# Altium PCB TsinghuaDoor_bottom..PcbDoc
Units mil, origin at the board's own origin, x right, y up, seen from the top; angles counter-clockwise.
Board outline 7990.24 x 1920.24 mil, 2 copper layers (Top Layer, Bottom Layer); 66 components, 58 nets, 276 pads, 61 vias.
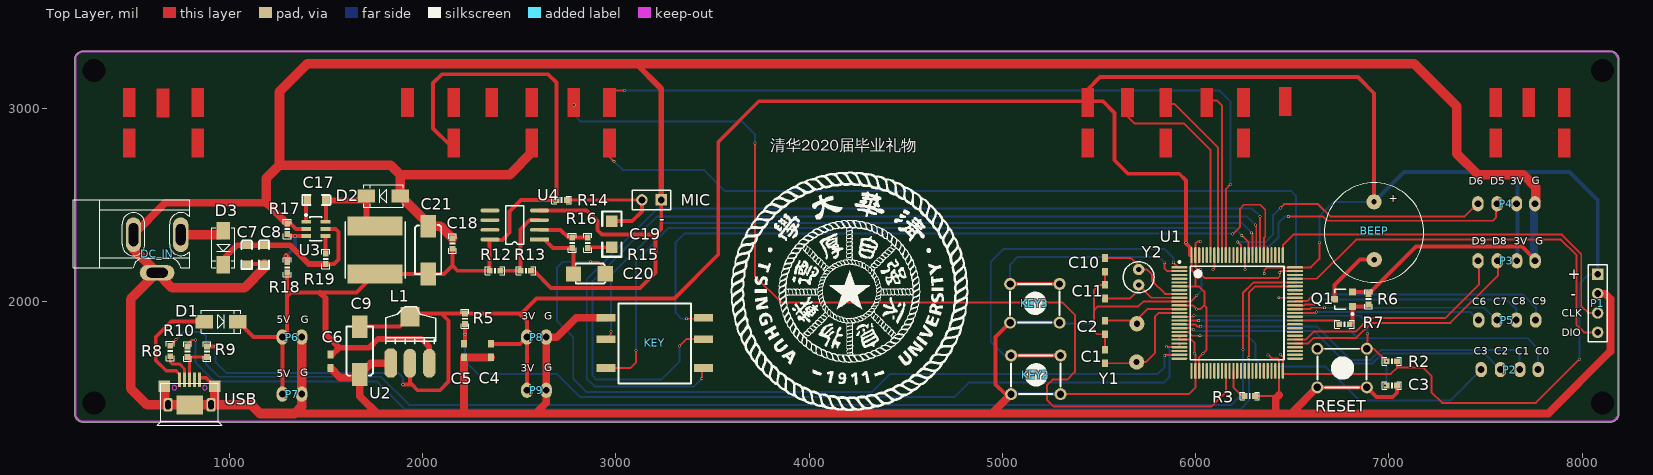
[diagram p0: Top Layer view]
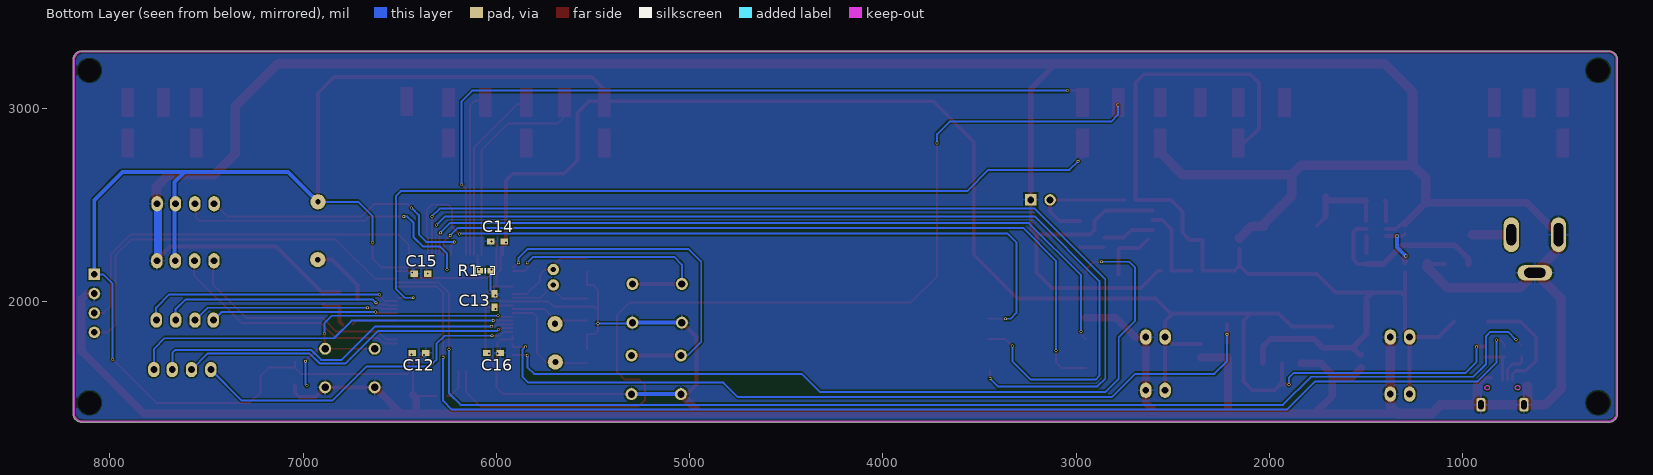
[diagram p1: Bottom Layer view, seen from below]
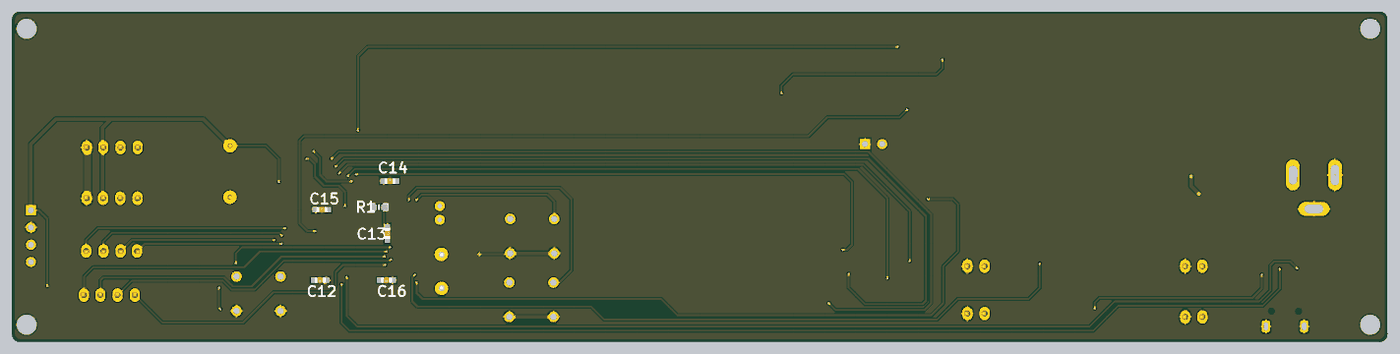
[diagram p2: 3D render of the assembled board from below, using the file's embedded part models]

## Layer stack, top to bottom
Top Layer: signal copper 1.4
Dielectric: dielectric 12.6, FR-4, Dk 4.8
Bottom Layer: signal copper 1.4

## Board outline
250,1375 cw(c245,1420) 200,1425 200,3250 cw(c245,3250) 245,3295 8150,3295 8149.97,3294.72 cw(c8145,3250) 8190,3250 8190,1420 cw(c8145,1420) 8145,1375

## Design rules (kind name [scope] priority, off if disabled: settings)
Clearance [All] p1: gap=7
PolygonConnect [All] p1: connectstyle=Relief reliefconductorwidth=10 reliefentries=4 polygonreliefangle="90 Angle" airgapwidth=10
RoutingVias [All] p1: holewidth=28 width=50 viastyle="Through Hole" minholewidth=28 minwidth=50 maxholewidth=28 maxwidth=50
SolderMaskExpansion [All] p1: expansion=4
Width [All] p1: maxlimit=50 minlimit=10 preferedwidth=10 minimp=50.000000 maximp=50.000000 favimp=50.000000
28 further rules are at their usual default settings.

## Components (designator, comment, footprint, x,y, rotation, side; value= is the part's Value field where it differs from the comment)
BEEP "蜂鸣器" 蜂鸣器-7.6mm 6900,2425 r90 top
C1 "Cap" "cap_0603 - duplicate" 5530,1765 r270 top
C2 "Cap" "cap_0603 - duplicate" 5530,1815 r90 top
C3 "104" 0603P 7015,1565 r180 top
C4 "Cap" "cap_0603 - duplicate" 2355,1695 r90 top
C5 "Cap" "cap_0603 - duplicate" 2215,1695 r90 top
C6 "Cap" "cap_0603 - duplicate" 1525,1640 r90 top
C7 "Cap" 电容-0805 1090,2205 r90 top
C8 "Cap" 电容-0805 1180,2205 r90 top
C9 "Cap Pol" 电容-6032 1675,1745 r270 top
C10 "Cap" "cap_0603 - duplicate" 5530,2239.21 r270 top
C11 "Cap" "cap_0603 - duplicate" 5530,2000 r90 top
C12 "Cap" "cap_0603 - duplicate" 6350,1733.46 r0 bottom
C13 "Cap" "cap_0603 - duplicate" 6010,2055 r270 bottom
C14 "Cap" "cap_0603 - duplicate" 6045,2310 r180 bottom
C15 "Cap" "cap_0603 - duplicate" 6440,2142.94 r180 bottom
C16 "Cap" "cap_0603 - duplicate" 5965,1733.46 r0 bottom
C17 "Cap" 电容-0805 1415,2525 r0 top
C18 "104" 0603P 2155,2299.54 r270 top
C19 "104" 1206 2980,2415 r270 top
C20 "Cap Pol" 电容-3528 2875,2139.94 r0 top
C21 "Cap Pol" 电容-6032 2030,2265 r90 top
D1 "1N4148" DIODE_3*5.3 960,1895 r0 top
D2 "SS14" DIODE_3*5.3 1795.03,2545 r180 top
D3 "SS14" DIODE_3*5.3 970,2275 r270 top
DC_IN "POWER" DC10B 330,2175 r0 top
KEY "5DirKey" 5DirKey 3005,1785 r0 top locked
KEY2 "KEY_M" KEY_M 5045,1720 r0 top
KEY3 "KEY_M" KEY_M 5040,2090 r0 top
L1 "4.7uH" L_SOP74 1755,2140.98 r90 top
MIC "VREF_SEL" HDR1X2 3235,2525 r180 top
P1 "Header 4" HDR1X4 8080,2139.94 r270 top
P2 "Header 4" Header-1*4-2.54mm 7477,1647 r90 top
P3 "Header 4" Header-1*4-2.54mm 7461,2210 r90 top
P4 "Header 4" Header-1*4-2.54mm 7460,2505 r90 top
P5 "Header 4" Header-1*4-2.54mm 7759,1903 r270 top
P6 "Header 2" Header-1*2-2.54mm 1275,1815 r90 top locked
P7 "Header 2" Header-1*2-2.54mm 1275,1520 r90 top locked
P8 "Header 2" Header-1*2-2.54mm 2540,1815 r90 top locked
P9 "Header 2" Header-1*2-2.54mm 2540,1540 r90 top locked
Q1 "S8050" SOT-23R 6770,2011.22 r90 top
R1 "10K" 0603P 6057.52,2158.22 r180 bottom
R2 "10K" 0603P 7015,1690 r180 top
R3 "10K" 0603P 6280,1510 r180 top
R5 "10" 0603P 2220,1910 r270 top
R6 "10K" 0603P 6895,2011.22 r270 top
R7 "1K" 0603P 6770,1881.22 r180 top
R8 "10" 0603P 695,1743.15 r270 top
R9 "10K" 0603P 885,1740 r270 top
R10 "10" 0603P 785,1740 r270 top
R12 "10K" 0603P 2375,2158.22 r180 top
R13 "10K" 0603P 2535,2158.22 r180 top
R14 "10K" 0603P 2720,2525 r0 top
R15 "10K" 0603P 2855,2303 r270 top
R16 "10K" 0603P 2775,2303 r270 top
R17 "9.53K" 0603P 1300.06,2374.82 r90 top
R18 "49.9K" 0603P 1300,2176.22 r90 top
R19 "100K" 0603P 1500,2220 r90 top
RESET "KEY_M" KEY_M 6630,1755 r0 top
U1 "STM32F103V" LQFP-100_M 6215,1940 r0 top locked
U2 "AMS1117-3.3" AMS1117 1835,1680 r0 top
U3 "MP2359" SOT-23-6 1398,2412.22 r0 top
U4 "LM358" SOP-8-4mm 2605,2320 r180 top
USB "USB-AB" "USB_AB - 5S - B" 795,1380 r180 top
Y1 "晶振" 晶振-DIP2-5.08 5620,1795 r270 top
Y2 "晶振" 圆柱晶振 5705,2085 r90 top

## Footprints (in the part's own frame and the unit in brackets; to place one, negate y for a bottom-side part, rotate by r counter-clockwise, add the part's x,y. Pads: shape width x height; smd on the part's side, far side on the other; paste and mask are expansions set on the pad)
5DirKey [mm]
  rect 2.5x1 smd: DOWN(11.43,-3.302) GND(-1.397,3.302) LEFT(-1.397,0.508) MID(-1.397,-3.302) RIGHT(11.43,0.508) UP(11.43,3.302)
  silkscreen extent 0.25,-5.33 9.78,5.21
0603P [mil]
  rect 30x30 smd: 1(-27,0) 2(27.5,-0.06)
  silkscreen extent -50,-20 50,20
1206 [mil]
  rect 60x60 smd: 1(0,0) 2(135,0)
  silkscreen extent -50,-50 185,50
AMS1117 [mil]
  oct 65x150 smd: 1(0.03,-0.06)
  oval 65x150 smd: 2(100.03,-0.06) 3(200.03,-0.06)
  rect 100x100 smd: 4(100.03,239.94)
  silkscreen extent -26,100 234,293
"cap_0603 - duplicate" [mm]
  rect 1x0.8 smd: 1(0.381,0) 2(2.159,0)
  body extent 0.47,-0.4 2.07,0.4, height 0.3
DC10B [mil]
  oval 80x180 hole 50 slot 110 at 90 deg: 1(419.09,170)
  oval 80x180 hole 50 slot 120 at 90 deg: 2(175,170)
  oval 180x80 hole 50 slot 110 at 0 deg: 3(297.05,-26.85)
  silkscreen extent -138,0 465,350
DIODE_3*5.3 [mm]
  rect 2.3x1.75 smd: 1(-2.286,0) 2(2.159,0)
  silkscreen extent -2.67,-1.5 2.54,1.5
HDR1X2 [mm]
  rect 1.5x1.5 hole 0.9: 1(0,0)
  round 1.5 hole 0.9: 2(2.54,0)
  silkscreen extent -1.27,-1.27 3.81,1.27
HDR1X4 [mm]
  rect 1.5x1.5 hole 0.9: 1(0,0)
  round 1.5 hole 0.9: 2(2.54,0) 3(5.08,0) 4(7.62,0)
  silkscreen extent -1.27,-1.27 8.89,1.27
Header-1*2-2.54mm [mm]
  oval 2x1.5 hole 0.9: 1(0,0) 2(0,-2.54)
  body extent -1.27,-3.94 1.27,1.14, height 10.1
Header-1*4-2.54mm [mm]
  oval 2x1.5 hole 0.9: 1(0,0) 2(0,-2.54) 3(0,-5.08) 4(0,-7.493)
  body extent -1.17,-8.89 1.37,1.27, height 10.1
KEY_M [mil]
  round 62 hole 38: 1(0,0) 1(255.91,0) 2(0,-200) 2(255.91,-200)
  silkscreen extent 0,-200 255,0
L_SOP74 [mm]
  rect 2.5x7.2 smd: 1(0,0) 2(6.35,0)
  silkscreen extent -0.51,-3.94 6.89,3.94
LQFP-100_M [mm] "Thin QFP, 100"
  oval 2.1x0.3 smd: 1(-7.6,6) 2(-7.6,5.5) 3(-7.6,5) 4(-7.6,4.5) 5(-7.6,4) 6(-7.6,3.5) 7(-7.6,3) 8(-7.6,2.5) 9(-7.6,2) 10(-7.6,1.5) 11(-7.6,1) 12(-7.6,0.5) 13(-7.6,0) 14(-7.6,-0.5) 15(-7.6,-1) 16(-7.6,-1.5) 17(-7.6,-2) 18(-7.6,-2.5) 19(-7.6,-3) 20(-7.6,-3.5) 21(-7.6,-4) 22(-7.6,-4.5) 23(-7.6,-5) 24(-7.6,-5.5) 25(-7.6,-6) 51(7.6,-6) 52(7.6,-5.5) 53(7.6,-5) 54(7.6,-4.5) 55(7.6,-4) 56(7.6,-3.5) 57(7.6,-3) 58(7.6,-2.5) 59(7.6,-2) 60(7.6,-1.5) 61(7.6,-1) 62(7.6,-0.5) 63(7.6,0) 64(7.6,0.5) 65(7.6,1) 66(7.6,1.5) 67(7.6,2) 68(7.6,2.5) 69(7.6,3) 70(7.6,3.5) 71(7.6,4) 72(7.6,4.5) 73(7.6,5) 74(7.6,5.5) 75(7.6,6)
  oval 0.3x2.1 smd: 26(-6,-7.6) 27(-5.5,-7.6) 28(-5,-7.6) 29(-4.5,-7.6) 30(-4,-7.6) 31(-3.5,-7.6) 32(-3,-7.6) 33(-2.5,-7.6) 34(-2,-7.6) 35(-1.5,-7.6) 36(-1,-7.6) 37(-0.5,-7.6) 38(0,-7.6) 39(0.5,-7.6) 40(1,-7.6) 41(1.5,-7.6) 42(2,-7.6) 43(2.5,-7.6) 44(3,-7.6) 45(3.5,-7.6) 46(4,-7.6) 47(4.5,-7.6) 48(5,-7.6) 49(5.5,-7.6) 50(6,-7.6) 76(6,7.6) 77(5.5,7.6) 78(5,7.6) 79(4.5,7.6) 80(4,7.6) 81(3.5,7.6) 82(3,7.6) 83(2.5,7.6) 84(2,7.6) 85(1.5,7.6) 86(1,7.6) 87(0.5,7.6) 88(0,7.6) 89(-0.5,7.6) 90(-1,7.6) 91(-1.5,7.6) 92(-2,7.6) 93(-2.5,7.6) 94(-3,7.6) 95(-3.5,7.6) 96(-4,7.6) 97(-4.5,7.6) 98(-5,7.6) 99(-5.5,7.6) 100(-6,7.6)
  silkscreen extent -7.72,-6.15 6.15,6.82, body extent -7,-7 7,7, height 0.8
SOP-8-4mm [mm]
  rect 2.5x0.5 smd: 1(0,0)
  oval 2.5x0.5 smd: 2(0,-1.27) 3(0,-2.54) 4(0,-3.81) 5(6.5,-3.81) 6(6.5,-2.54) 7(6.5,-1.27) 8(6.5,0)
  silkscreen extent 2.08,-4.44 4.42,0.64, body extent -0.03,-4.37 6.17,0.63, height 1.74
SOT-23-6 [mil]
  rect 50x20 smd: 1(0,0) 2(0,-37.4) 3(0,-74.8) 4(100,-74.8) 5(100,-37.4) 6(100,0)
  silkscreen extent 0,-99 80,35
SOT-23R [mm]
  rect 0.9x0.95 smd: 1(0.95,-1.048) 2(-0.95,-1.048) 3(0,1.302)
  silkscreen extent -2.07,-1.17 1.3,1.3
"USB_AB - 5S - B" [mm]
  rect 0.4x1.9 smd: 1(1.3,-5.436) 2(0.65,-5.436) 3(0,-5.436) 4(-0.65,-5.436) 5(-1.3,-5.436)
  rrect50% 1.2x1.8 hole 0.7 slot 1.2 at 90 deg: 6(2.825,-2.15) 7(-2.825,-2.15)
  rect 1.5x1.5 smd: 8(-3.302,-4.572) 9(3.302,-4.572)
  rect 3.5x2.5 smd: 9(0,-2.159)
  Keep-Out Layer circle w0.102: c2,-4.4 r0.3
  Keep-Out Layer circle w0.102: c-2,-4.4 r0.3
  silkscreen extent -4.26,-5 4.26,0.51
圆柱晶振 [mm]
  round 1.5 hole 0.7: 1(0,0) 2(2.032,0)
  silkscreen extent -1.02,-2.03 3.05,2.03
晶振-DIP2-5.08 [mm]
  round 2 hole 0.8: 1(-2.261,1.93) 2(2.769,1.905)
  body extent -5.34,-0.5 5.84,4.2, height 3.68
电容-0805 [mil]
  rect 39.37x47.24 smd: 1(-12,-3) 2(85,-3)
  silkscreen extent -37,-27 110,26, body extent -4,-25 75,25, height 31
电容-3528 [mil]
  rect 78.74x78.74 smd: 1(-93,2) 2(71,3)
  silkscreen extent -82,-48 71,55, body extent -85,-51 61,60, height 84
电容-6032 [mm]
  rect 3x2 smd: 1(-3.15,0) 2(3.15,0)
  silkscreen extent -3.15,-1.7 3.3,1.73, body extent -3.15,-1.75 3.15,1.75, height 2.8
蜂鸣器-7.6mm [mm]
  round 2 hole 0.7: 1(2.286,-0.584) 2(-5.309,-0.61)
  silkscreen extent -8.29,-7.12 4.78,5.95, body extent -7.52,-6.56 4.48,5.44, height 9.3

## Part data
C1 C2 C4 C5 C6 C7 C8 C10 C11 C12 C13 C14 C15 C16 C17: "Capacitor"
C3 C18 C19: library part C
C9 C20 C21: "Polarized Capacitor (Radial)"
D1 D2 D3: library part D
DC_IN: library part POW
L1: library part L_SOP
MIC: library part "Header 2", "Header, 2-Pin"
P1 P2 P3 P4 P5: "Header, 4-Pin"
P6 P7 P8 P9: "Header, 2-Pin"
Q1: library part NPN, "8050/BCW846/BCW847"
R1 R2 R3 R5 R6 R7 R8 R9 R10 R12 R13 R14 R15 R16 R17 R18 R19: library part R
U1: "STM32单片机100引脚"
U2: library part AMS1117
U3: "DC DC Step Down IC"
U4: library part IC-8
USB: "MicroUSB"
Y1 Y2: "Crystal Oscillator"

## Free pads (board coordinates)
  round 60 hole 118.11: 1(300,1475) 1(300,3195) 1(8105,1475) 1(8105,3195)

## Via types
v1: diameter 15, hole 10, Top Layer to Bottom Layer, 61 vias

## Nets (pads, with @x,y where several pads share a name; then routed paths per layer and width w, separated by ;. In a path a pad name is that pad's centre, name@x,y a point inside that pad or via, vN(x,y) a via of type N, cw(c..) or ccw(c..) an arc to the next point about the centre after c; other vN are vias at no path point)
BEEP: R7.2 U1.61 | length 236.3
  Top Layer w10: U1.61 6723.15,1900.63 R7.2
DIN: U1.67 | length 4371.2
  Top Layer w10: 2970,2810 2970,2745 v1(2990,2725) ; v1(6430,2018.74) U1.67
  Bottom Layer w10: v1(2990,2725) 3035,2680 3455,2680 3565,2570 6495,2570 6520,2545 6520,2065 6473.74,2018.74 v1(6430,2018.74)
DOWN: KEY.DOWN U1.82 | length 5039.8
  Top Layer w10: v1(3445,1600) KEY.DOWN@3445,1645 ; U1.82 v1(6333.11,2440)
  Bottom Layer w10: v1(3445,1600) 3405,1560 2890,1560 2850,1600 2850,2115 3215,2480 6293.11,2480 v1(6333.11,2440)
GND: C1.1 C2.1 C3.1 C4.1 C5.1 C6.1 C7.1 C8.1 C9.2 C10.2 C11.2 C12.1 C13.1 C14.1 C15.1 C16.1 C18.1 C21.2 D2.1 DC_IN.2 DC_IN.3 KEY2.2 KEY3.2 KEY.GND MIC.1 P1.2 P3.4 P4.4 P6.2 P7.2 P8.2 P9.2 Q1.1 R1.2 R3.1 R6.1 R13.1 R17.2 RESET.2 U1.10 U1.19 U1.20 U1.27 U1.49 U1.74 U1.99 U2.1 U3.2 U4.4 USB.5 USB.6 USB.7 USB.8 USB.9 | length 32165.9
  Top Layer w10: KEY2.2@5300.91,1520 5965,1520 5998.46,1553.46 U1.27 5998.46,1726.54 v1(5995,1730) 5995,1785 5977.8,1802.2 U1.20 U1.19 ; C1.1 C2.1 5491.89,1830 5475,1846.89 v1(5475,1885) 5475,1955 ; C10.2 C11.2 5500,2085 5475,2060 5475,1955 ; v1(6005,2030) 5974.06,1999.06 U1.10 5729.06,1999.06 5703.82,1973.82 5493.82,1973.82 5475,1955 ; v1(6025,2310) 6010,2310 5998.46,2298.46 U1.99 5998.46,2176.54 6010,2165 v1(6025,2165) 6025,2141.85 6046.85,2120 6425,2120 6435,2130 v1(6435,2149.22) 6442.31,2156.54 U1.74 ; R3.1 6415,1510 6431.54,1526.54 U1.49 6431.54,1698.46 6425,1705 6393.46,1705 v1(6375,1723.46)
  Top Layer w20: 855,1605 880,1605 USB.8 ; C7.1 C8.1 ; R17.2 1317.68,2402.32 1345.18,2374.82 U3.2 ; R13.1 2576.78,2158.22 2665,2070 3125,2070 3205,2150 3205,2345 ; U4.4 2850,2470 2905,2415 2905,2367.82 2927.82,2345 3205,2345 ; MIC.1 3235,2375 3205,2345 ; KEY3.2@5040,1890 4965,1815 4965,1570 5015,1520 KEY2.2@5045,1520 ; RESET.2@6630,1555 6885.91,1555 6935.91,1505 7020,1505 7042,1527 C3.1 ; Q1.1 6884.6,2048.62 R6.1 7139.78,2283 7688.67,2283 P3.4@7758.83,2212.83
  Top Layer w30: 3105,3230 3235,3100 MIC.1
  Top Layer w40: DC_IN.2 670,2510 1192.45,2510 R17.2 ; 1340,1420 1765,1420 ; C6.1 1575,1605 1659.01,1605 C9.2 ; U2.1 1733.95,1679.94 C9.2 ; C4.1 C5.1 2215,1420 ; KEY.GND 2795,1915 2695,1815 P8.2 P9.2 2640,1475 2585,1420 ; KEY2.2@5045,1520 4945,1420 ; 6431.54,1515 6415,1498.46 6415,1420 ; RESET.2@6630,1555 6495,1420 ; P1.2 8118.8,2039.94 8146,2012.74 8146,1741 7825,1420 6495,1420 ; C9.2 1675,1510 1765,1420 ; 1765,1420 2215,1420 ; 2215,1420 2585,1420 ; 2585,1420 4945,1420 ; 4945,1420 6415,1420 ; 6415,1420 6495,1420
  Top Layer w50: DC_IN.2 505,2270.2 DC_IN.3 ; USB.6@665,1483.43 USB.9@665,1560 ; USB.7 USB.6 575.35,1464.65 490,1550 490,2011.1 DC_IN.3 ; USB.7@925,1464.65 1115.35,1464.65 1160,1420 1340,1420 1375,1455 P7.2 P6.2 ; USB.7@925,1483.43 USB.8 ; C8.1 1183,2174.85 1078.15,2070 705.2,2070 DC_IN.3 ; 1192.45,2510 1192.45,2637.45 1260,2705 ; C21.2 2092.52,2389.02 C18.1 ; C21.2@2030,2400.03 D2.1 1885.03,2654.97 ; 2570,2825 2570,2775 2449.97,2654.97 1885.03,2654.97 ; P4.4@7750,2503.33 7760,2513.33 7760,2590 7695,2655 7460,2655 7350,2765 7350,3010 7130,3230 3105,3230 1405,3230 1260,3085 1260,2705 ; 1260,2705 1835,2705 1885.03,2654.97
  Bottom Layer w10: KEY3.2@5300.91,1885 v1(5475,1885) ; v1(6005,2030) 6030.02,2055.02 R1.2 6030.02,2159.98 v1(6025,2165)
  Bottom Layer w20: KEY3.2@5040,1890 5295.91,1890 KEY3.2@5300.91,1885 ; KEY2.2@5045,1520 KEY2.2@5300.91,1520
  Bottom Layer w40: P3.4@7750,2210 P4.4@7750,2503.33
LED1: U1.35 | length 5120.7
  Top Layer w10: v1@3720,2815 3720,2130 3855,1995 5310,1995 5375,1930 5375,1635 5335,1595 5260,1595 5230,1565 5230,1490 5265,1455 6081.2,1455 6155.94,1529.75 U1.35
  Bottom Layer w10: v1(2785,3015) 2785,2965 2820,2930 3655,2930 3720,2865 v1(3720,2820)
LEFT: KEY.LEFT U1.84 | length 3905.2
  Top Layer w10: KEY.LEFT 2975,1830 v1(2975,1845) ; v1(6290,2355) 6293.74,2351.26 U1.84
  Bottom Layer w10: v1(2975,1845) 2975,2135 3245,2405 6240,2405 v1(6290,2355)
MID: KEY.MID U1.85 | length 4029.3
  Top Layer w10: KEY.MID 3075.06,1655 3105,1684.94 v1(3105,1745) ; v1(6238.5,2341.5) 6274.06,2305.94 U1.85
  Bottom Layer w10: v1(3105,1745) 3105,2210 3275,2380 6200,2380 v1(6238.5,2341.5)
NetBEEP_2: BEEP.2 Q1.3 | length 332.6
  Top Layer w20: Q1.3 6718.74,2083.74 6851,2216 BEEP.2
NetC1_2: C1.2 U1.13 Y1.2 | length 603.9
  Top Layer w10: C1.2 5689,1680 Y1.2 5742.54,1686 5790,1733.46 5790,1922 5808,1940 U1.13
NetC2_2: C2.2 U1.12 Y1.1 | length 436.5
  Top Layer w10: C2.2 5680,1900 Y1.1 5696,1905.68 5750,1959.68 U1.12
NetC7_2: C7.2 C8.2 D3.2 R19.1 U3.5 | length 920.8
  Top Layer w20: U3.5 1550.18,2374.82 1565,2360 1565,2216 1542,2193 R19.1
  Top Layer w30: D3.2 970,2220 1040,2290 C7.2 C8.2 1315,2290 1412,2193 R19.1
NetC10_1: C10.1 U1.8 Y2.2 | length 494.5
  Top Layer w10: C10.1 5666.79,2224.21 5705,2186 Y2.2 5748.28,2165 5775,2138.28 5775,2105 5841.57,2038.43 U1.8
NetC11_1: C11.1 U1.9 Y2.1 | length 457.7
  Top Layer w10: C11.1 5661.38,2015 5705,2058.62 Y2.1 5771.26,2018.74 U1.9
NetC17_1: C17.1 U3.1 | length 111.9
  Top Layer w20: U3.1 1398,2517 C17.1
NetC17_2: C17.2 D2.2 L1.2 U3.6 | length 500
  Top Layer w20: U3.6@1500,2414.22 C17.2 ; L1.2@1710.03,2435.95 L1.2
  Top Layer w30: C17.2 1687.03,2522 D2.2 L1.2@1710.03,2435.95
NetC19_1: C19.1 MIC.2 R14.2 | length 623.1
  Top Layer w15: R14.2 MIC.2@3134.94,2524.94
  Top Layer w20: C19.1 3085,2415 3135,2465 MIC.2
NetC19_2: C19.2 R15.2 | length 120.6
  Top Layer w20: R15.2@2859.44,2280 C19.2
NetC20_1: C20.1 R16.2 U4.1 | length 299.9
  Top Layer w20: U4.1@2630,2320 2674.5,2275.5 R16.2 2782,2268.44 C20.1
NetD3_1: D3.1 DC_IN.1 | length 200.9
  Top Layer w50: DC_IN.1 D3.1@950,2345
NetKEY2_1: KEY2.1 U1.1 | length 1861.1
  Top Layer w10: v1(5885,2200) 5908.78,2176.22 U1.1
  Top Layer w20: KEY2.1@5045,1720 KEY2.1@5300.91,1720
  Bottom Layer w10: KEY2.1@5045,1720 5010,1720 4940,1790 4940,2205 5005,2270 5840,2270 5885,2225 v1(5885,2200)
NetKEY3_1: KEY3.1 U1.2 | length 1297
  Top Layer w10: v1(5840,2200) 5840,2168.7 5852.17,2156.54 U1.2
  Top Layer w20: KEY3.1@5040,2090 KEY3.1@5295.91,2090
  Bottom Layer w10: KEY3.1@5040,2090 5040,2190 5080,2230 5810,2230 v1(5840,2200)
NetQ1_2: Q1.2 R6.2 R7.1 | length 186.3
  Top Layer w20: R7.1 6811.26,1895.48 Q1.2 6885.03,1973.82 R6.2
NetR1_1: R1.1 U1.94 | length 77.1
  Top Layer w10: v1(6090,2165) 6096.89,2171.89 U1.94
NetR3_2: R3.2 U1.37 | length 161.8
  Top Layer w10: U1.37 6195.31,1554.68 6239.94,1510.06 R3.2
NetR8_2: R8.2 USB.2 | length 175.4
  Top Layer w15: R8.2 694.94,1686 705.94,1675 745,1675 769.41,1650.59 USB.2
NetR9_2: R9.2 R10.2 USB.3 | length 222.7
  Top Layer w15: USB.3 795,1702.44 R10.2 R9.2
NetR12_1: R12.1 R13.2 U4.3 | length 436.8
  Top Layer w20: R12.1 R13.2@2507.44,2158.22 ; R13.2 2507.5,2372.5 2555,2420 U4.3
NetR15_1: R15.1 R16.1 U4.2 | length 266.6
  Top Layer w20: U4.2 2714.92,2370 2754.92,2330 R16.1 R15.1
NetR17_1: R17.1 R18.2 U3.3 | length 256.7
  Top Layer w20: R17.1 1310.47,2337.42 v1(1340,2337.42) U3.3
  Top Layer w30: v1(1295,2235) 1300.06,2229.94 R18.2
  Bottom Layer w20: v1(1295,2235) 1340,2280 v1(1340,2337.42)
NetR19_2: R19.2 U3.4 | length 87.9
  Top Layer w20: R19.2@1498,2249.56 U3.4
NRST: C3.2 R2.2 RESET.1 U1.14 | length 1639.5
  Top Layer w10: U1.14 5986.31,1920.32 v1(5992,1926) ; RESET.1@6630,1755 RESET.1@6885.91,1755 ; v1(6890,1833) 6890,1759.09 RESET.1@6885.91,1755 ; v1(6987.5,1690.06) 6922.56,1755 RESET.1@6885.91,1755
  Bottom Layer w10: v1(5992,1926) 5992.5,1925.5 6852.44,1925.5 6890,1887.94 v1(6890,1833) ; v1(6980,1565) 6987.5,1572.5 v1(6987.5,1690.06)
OLED_D0: U1.93 | length 940.6
  Top Layer w10: 5840,3055 5840,3085 ; 5855,3020 5891.57,3020 6116.57,2795 U1.93
OLED_D1: U1.92 | length 863.7
  Top Layer w10: 6060,3045 6065,3040 6110,3040 6136.26,3013.74 U1.92
OLED_DC: U1.95 | length 1087.1
  Top Layer w10: 5650,3000 5650,2955 5685,2920 5940,2920 6077.2,2782.8 U1.95
OLED_RST: U1.91 | length 4015.6
  Top Layer w10: 2995,3085 3000,3090 v1(3045,3090) ; U1.91 6155.94,2580.94 v1(6180,2605)
  Bottom Layer w10: v1(3045,3090) 6125,3090 6180,3035 v1(6180,2605)
PC0: P2.4 U1.15 | length 2023.5
  Top Layer w10: U1.15 5989.37,1900.63 5990,1900 v1(6016,1900)
  Bottom Layer w10: v1(6016,1900) 6749,1900 6840,1809 7717,1809 7771,1755 P2.4@7771,1647
PC1: P2.3 U1.16 | length 1950.6
  Top Layer w10: U1.16 5998.06,1880.94 6008,1871 v1(6026,1871)
  Bottom Layer w10: v1(6026,1871) 6626,1871 6800,1697 6907,1697 6959,1749 7660,1749 7676,1733 P2.3@7676,1647
PC2: P2.2 U1.17 | length 1792.7
  Top Layer w10: U1.17 5973.11,1861.26 5980.37,1854 v1(5989,1854)
  Bottom Layer w10: v1(5989,1854) 5997,1846 6613,1846 6780,1679 6915,1679 6967,1731 7492,1731 P2.2@7576.5,1646.5
PC3: P2.1 U1.18 | length 1822.7
  Top Layer w10: U1.18 5962.43,1841.57 5982,1822 v1(6022,1822)
  Bottom Layer w10: v1(6022,1822) 6268,1822 6310,1780 6310,1697 6343,1664 6671,1664 6848,1487 7316,1487 P2.1@7476.5,1647.5
PC6: P5.4 U1.63 | length 968.9
  Top Layer w10: U1.63 6620,1940 v1(6625,1945)
  Bottom Layer w10: v1(6625,1945) 7420.63,1945 P5.4@7463.31,1902.32
PC7: P5.3 U1.64 | length 1073.9
  Top Layer w10: U1.64 6591.69,1959.68 6599,1967 v1(6666,1967)
  Bottom Layer w10: v1(6666,1967) 7493.63,1967 P5.3@7558.31,1902.32
PC8: P5.2 U1.65 | length 1236.6
  Top Layer w10: U1.65 6561.37,1979.37 6566,1984 6614,1984 v1(6623,1993)
  Bottom Layer w10: v1(6623,1993) 6639,2009 7609,2009 7660,1958 P5.2@7660,1900.63
PC9: P5.1 U1.66 | length 1358.9
  Top Layer w10: U1.66 6515.99,2000.83 6557.06,2000.83 6557.23,2001 6577,2001 6604,2028 v1(6604,2036)
  Bottom Layer w10: v1(6604,2036) 7692,2036 7760,1968 P5.1@7760,1903
PD5: P4.2 U1.86 | length 1664.3
  Top Layer w10: U1.86 6254.37,2165.63 v1(6255,2165) ; v1(6479,2439) 6659,2439 6681,2417 7536,2417 7555,2436 P4.2@7555,2503.33
  Bottom Layer w10: v1(6255,2165) 6255,2247 6291,2283 6379,2283 6429,2333 6429,2408 6460,2439 v1(6479,2439)
PD6: P4.1 U1.87 | length 1512.2
  Top Layer w10: v1(6218,2308) 6234.69,2291.32 U1.87 ; v1(6438,2483) 6458,2503 6633,2503 6698,2438 7389.67,2438 P4.1@7458.33,2506.67
  Bottom Layer w10: v1(6218,2308) 6363,2308 6401,2346 6401,2446 v1(6438,2483) v1@6439,2484
PD8: P3.2 U1.55 | length 1271.2
  Top Layer w10: U1.55 6581.52,1782.52 6610,1811 6832,1811 6910,1889 7318,1889 7565,2136 P3.2@7565,2210
PD9: P3.1 U1.56 | length 1192.3
  Top Layer w10: U1.56 6570.2,1802.2 6611,1843 6828,1843 6899,1914 7293,1914 7465,2086 P3.1@7465,2210
RIGHT: KEY.RIGHT U1.83 | length 4951.7
  Top Layer w10: v1(3330,1770) 3365,1805 KEY.RIGHT ; v1(6310,2395) 6313.43,2391.57 U1.83
  Bottom Layer w10: v1(3330,1770) 3330,1690 3235,1595 2900,1595 2880,1615 2880,2105 3215,2440 6265,2440 v1(6310,2395)
SWCLK: P1.3 U1.76 | length 2029
  Top Layer w10: U1.76 6451.22,2291.22 6505,2345 7895,2345 7995,2245 7995,1975 8030.06,1939.94 P1.3
SWDIO: P1.4 U1.72 | length 2059.5
  Top Layer w10: U1.72 6627.17,2117.17 6830,2320 7890,2320 7970,2240 7970,1880 8010.06,1839.94 P1.4
UP: KEY.UP U1.81 | length 3959.4
  Top Layer w10: v1(3365,1910) 3450,1910 KEY.UP ; v1(6191,2348) 6230,2387 6230,2480 6250,2500 6333,2500 6360,2473 6360,2335 6352.8,2327.8 U1.81
  Bottom Layer w10: v1(3365,1910) 3340,1910 3310,1940 3310,2305 3355,2350 6189,2350 v1(6191,2348)
USB_D+: R10.1 U1.70 | length 6559.2
  Top Layer w10: R10.1 785,1780 805,1800 v1(825,1800) ; v1(6275,1710) 6275,2045 6307.8,2077.8 U1.70
  Bottom Layer w10: v1(825,1800) 825,1685 925,1585 1765,1585 1910,1440 6230,1440 6275,1485 v1(6275,1710)
USB_D-: R8.1 U1.71 | length 6657.6
  Top Layer w10: R8.1 695,1772.2 v1(725,1802.2) ; v1(6245,1751) 6245,2044 6298.48,2097.48 U1.71
  Bottom Layer w10: v1(725,1802.2) 765,1842.2 857.2,1842.2 880,1819.41 880,1675 945,1610 1785,1610 1930.35,1464.65 6185,1464.65 6245,1524.65 v1(6245,1751)
VCC3V3: BEEP.1 C4.2 C9.1 C12.2 C13.2 C14.2 C15.2 C16.2 P1.1 P3.3 P4.3 P8.1 P9.1 R2.1 R5.1 R9.1 U1.6 U1.11 U1.28 U1.50 U1.75 U1.100 U2.2 U2.4 | length 16759.9
  Top Layer w10: U1.11 5985.63,1979.37 v1(6005,1960) 6025,1960 6045,1980 ; U1.6 6017.2,2077.8 6045,2050 6045,1980 ; U1.100 5978.78,2160.44 6000,2139.22 6000,2083.74 ; U1.28 6018.15,1710.32 v1(6037.83,1730) 6056.85,1749.02 6056.85,1968.15 6045,1980 ; v1(6355,2145) 6355,2160 6371.22,2176.22 U1.75 6596.22,2176.22 6640,2220 v1(6640,2305) ; v1(6440,1725) 6451.22,1713.78 U1.50 6451.22,1633.78 6460,1625 7010,1625 7042,1657 ; R2.1 7042,1657 ; v1(7985,1700) 7760,1475 7275,1475 7220,1530 7220,1615 7178,1657 7042,1657
  Top Layer w20: R9.1 v1@928,1767 ; C9.1 1884.11,1869.02 U2.4 1952.09,1937 2098,1937 ; v1(1900,1570) 1945,1570 ; U2.2 1935.03,1579.97 1945,1570 ; C4.2 2505,1780 P8.1 ; P9.1 P8.1 ; 5440,3060 5440,3095 5505,3160 6840,3160 6923,3077 BEEP.1 ; 5970,2239.21 5970,2280 5950,2300 5950,2625 5915,2660 5650,2660 5580,2730 5580,2975 5520,3035 3740,3035 3530,2825 3530,2241.67 3303.33,2015 2590,2015 2512,1937 2500,1937 ; 1945,1570 1975,1540 2090,1540 2135,1585 2135,1900 2098,1937 ; 2098,1937 R5.1 2500,1937 ; 2500,1937 2540,1897 P8.1
  Bottom Layer w10: v1(930,1765) 930,1685 985,1630 1875,1630 1900,1605 v1(1900,1570) ; v1(6640,2305) 6640,2440 6715,2515 BEEP.1 ; v1(7985,1700) 7985,2090 8034.94,2139.94 P1.1
  Bottom Layer w20: BEEP.1 7078,2670 7612,2670 ; P3.3@7665,2211.67 7665,2617 7612,2670 ; P1.1 8080,2525 7935,2670 7612,2670
  other v1: 5950,2305
VCC5V: C6.2 C18.2 C21.1 D1.2 L1.1 P6.1 P7.1 R12.2 R14.1 R18.1 U2.3 U4.8 | length 5403.1
  Top Layer w20: D1.2 1125,1815 P6.1 ; P7.1 P6.1 ; R18.1 1300,2025 ; C18.2 2154.94,2184.94 ; 2165,2810 2140,2810 2055,2895 2055,3130 2100,3175 2650,3175 2693,3132 R14.1 2510,2525 2450,2465 2450,2355 2413.41,2318.41 2347.5,2318.41 R12.2 2181.59,2158.28 2154.94,2184.94 ; P6.1 1300,1840 1300,2025 ; 1300,2025 1320,2045 1470,2045 1659.02,2045 L1.1 C21.1 2110.98,2140.98 2154.94,2184.94
  Top Layer w30: 1470,2045 1498,2017 1498,1832 1570,1760 ; C6.2 1535,1725 1570,1760 ; U2.3 2035.03,1764.97 1995,1805 1770,1805 1725,1760 1570,1760
VCC_USB: D1.1 USB.1 | length 584.7
  Top Layer w15: 724.21,1640.79 743.82,1621.18 USB.1
  Top Layer w20: 724.21,1640.79 674.21,1640.79 620,1695 620,1815 700,1895 D1.1
VDDA: C5.2 R5.2 U1.21 U1.22 | length 4247.2
  Top Layer w10: v1@5852.17,1762.83 U1.22 U1.21
  Top Layer w20: C5.2@2219.94,1784.94 R5.2
  Bottom Layer w10: v1(2220,1830) 2220,1690 2285,1625 2695,1625 2815,1505 4750,1505 4825,1580 5835,1580 5865,1610 5865,1750 v1(5850,1765)
VOICE_DETECT: C20.2 U1.24 | length 4194.7
  Top Layer w10: v1(2870,2205) 2910,2205 2946,2169 C20.2 ; v1(5840,1720) 5843.46,1723.46 U1.24
  Bottom Layer w10: v1(2870,2205) 2725,2205 2695,2175 2695,1900 2780,1815 2780,1600 2850,1530 4325,1530 4420,1625 5805,1625 5840,1660 v1(5840,1720)
pads on no net: U1.3 U1.4 U1.5 U1.7 U1.23 U1.25 U1.26 U1.29 U1.30 U1.31 U1.32 U1.33 U1.34 U1.36 U1.38 U1.39 U1.40 U1.41 U1.42 U1.43 U1.44 U1.45 U1.46 U1.47 U1.48 U1.51 U1.52 U1.53 U1.54 U1.57 U1.58 U1.59 U1.60 U1.62 U1.68 U1.69 U1.73 U1.77 U1.78 U1.79 U1.80 U1.88 U1.89 U1.90 U1.96 U1.97 U1.98 U4.5 U4.6 U4.7 USB.4

## Polygon pours and split planes (outlines as drawn)
GND on Bottom Layer "Bottom Layer-No Net" (solid, remove dead copper, pour order 11): 127,3360 127,1276 149,1254 176,1281 8272,1281 8272,3315 8236,3351

## Keep-outs
Keep-Out Layer:
  lines w10: 203,3248 cw(c248,3248) 248,3293 ; 204,1429 ccw(c249,1424) 254,1379 ; 204,1431 204,3256 ; 240,3293 8145,3293 ; 251,1379 8146,1379 ; 8141,1379 ccw(c8141,1424) 8186,1424 ; 8144.97,3292.72 cw(c8140,3248) 8185,3248 ; 8185,1421 8185,3251

## Other copper
Top Layer:
  rectangle net VCC5V: 2130,2745 2195,2895
  rectangle: 450,2745 515,2895
  rectangle net GND: 2532.5,2745 2597.5,2895
  rectangle net DIN: 2935,2745 3000,2895
  rectangle: 805,2745 870,2895
  rectangle: 7875,2745 7940,2895
  rectangle: 5812.5,2745 5877.5,2895
  rectangle: 7520,2745 7585,2895
  rectangle: 6215,2745 6280,2895
  rectangle: 5410,2745 5475,2895
  rectangle: 805,2955 870,3105
  rectangle: 1890,2955 1955,3105
  rectangle: 2130,2955 2195,3105
  rectangle: 2325,2955 2390,3105
  rectangle: 2532.5,2955 2597.5,3105
  rectangle net LED1: 2750,2955 2815,3105
  rectangle net OLED_RST: 2935,2955 3000,3105
  rectangle net VCC3V3: 5410,2955 5475,3105
  rectangle net OLED_DC: 5615,2955 5680,3105
  rectangle net OLED_D0: 5812.5,2955 5877.5,3105
  rectangle net OLED_D1: 6025,2955 6090,3105
  rectangle: 6215,2955 6280,3105
  rectangle: 6430,2960 6495,3110
  rectangle: 7520,2955 7585,3105
  rectangle: 7690,2955 7755,3105
  rectangle: 7875,2955 7940,3105
  rectangle: 450,2955 515,3105
  rectangle: 625,2950 690,3100

## Silkscreen, mask and mechanical layers (free items; w line width, h text height)
Top Overlay:
  drawing of 8332 lines, arcs and shapes, not listed
  text "清华2020届毕业礼物" at 3799.93,2757.65 h100
  text "G" at 7739,2605 h40
  text "D6" at 7412,2604 h40
  text "3V" at 7628,2604 h40
  text "D5" at 7523,2603 h40
  text "+" at 6999,2496 h70
  text "-" at 3225,2400 h59.06
  text "G" at 7756,2293 h40
  text "D9" at 7429,2292 h40
  text "D8" at 7534,2292 h40
  text "3V" at 7645,2292 h40
  text "+" at 7925,2114.87 h59.06
  text "-" at 7970,2010 h59.06
  text "C9" at 7742,1983 h40
  text "C6" at 7430,1981 h40
  text "C8" at 7635,1981.22 h40
  text "C7" at 7539,1980 h40
  text "CLK" at 7895,1920 h39.37
  text "G" at 2629,1906 h40
  text "3V" at 2514,1905 h40
  text "5V" at 1246,1888 h40
  text "G" at 1370.06,1888 h40
  text "DIO" at 7895,1820 h39.37
  text "C0" at 7757,1725 h40
  text "C3" at 7439,1724 h40
  text "C2" at 7546,1724 h40
  text "C1" at 7653,1724 h40
  text "G" at 2629,1639 h40
  text "3V" at 2509,1637 h40
  text "G" at 1368,1612 h40
  text "5V" at 1245,1608 h40
Top Solder:
  rectangle: 450,2955 515,3105
  rectangle: 625,2950 690,3100
  rectangle: 805,2955 870,3105
  rectangle: 1890,2955 1955,3105
  rectangle: 2130,2955 2195,3105
  rectangle: 2325,2955 2390,3105
  rectangle: 2535,2955 2600,3105
  rectangle: 2750,2955 2815,3105
  rectangle: 2935,2955 3000,3105
  rectangle: 5410,2955 5475,3105
  rectangle: 5615,2955 5680,3105
  rectangle: 5815,2955 5880,3105
  rectangle: 6025,2955 6090,3105
  rectangle: 6215,2955 6280,3105
  rectangle: 6430,2960 6495,3110
  rectangle: 7520,2955 7585,3105
  rectangle: 7690,2955 7755,3105
  rectangle: 7875,2955 7940,3105
  rectangle: 7520,2745 7585,2895
  rectangle: 7875,2745 7940,2895
  rectangle: 6215,2745 6280,2895
  rectangle: 5815,2745 5880,2895
  rectangle: 5410,2745 5475,2895
  rectangle: 2935,2745 3000,2895
  rectangle: 2530,2745 2595,2895
  rectangle: 2130,2745 2195,2895
  rectangle: 805,2745 870,2895
  rectangle: 450,2745 515,2895
Mechanical 1:
  lines w10: 199,1426 ccw(c244,1421) 249,1376 ; 200,1425 200,3250 cw(c245,3250) 245,3295 8150,3295 ; 245,1376 8140,1376 ; 8145,1375 ccw(c8145,1420) 8190,1420 8190,3250 ccw(c8145,3250) 8149.97,3294.72